# Altium PCB PCB_SDR.PcbDoc (part 2 of 6)
Units mil, origin at the board's own origin, x right, y up, seen from the top; angles counter-clockwise.
Board outline 4925.6 x 3220.01 mil, 8 copper layers (Top Layer, GND1, Signal 1, Power1, Power2, Signal 2, GND2, Bottom Layer), stack 62.84 mil thick; 406 components, 373 nets, 1642 pads, 1474 vias.
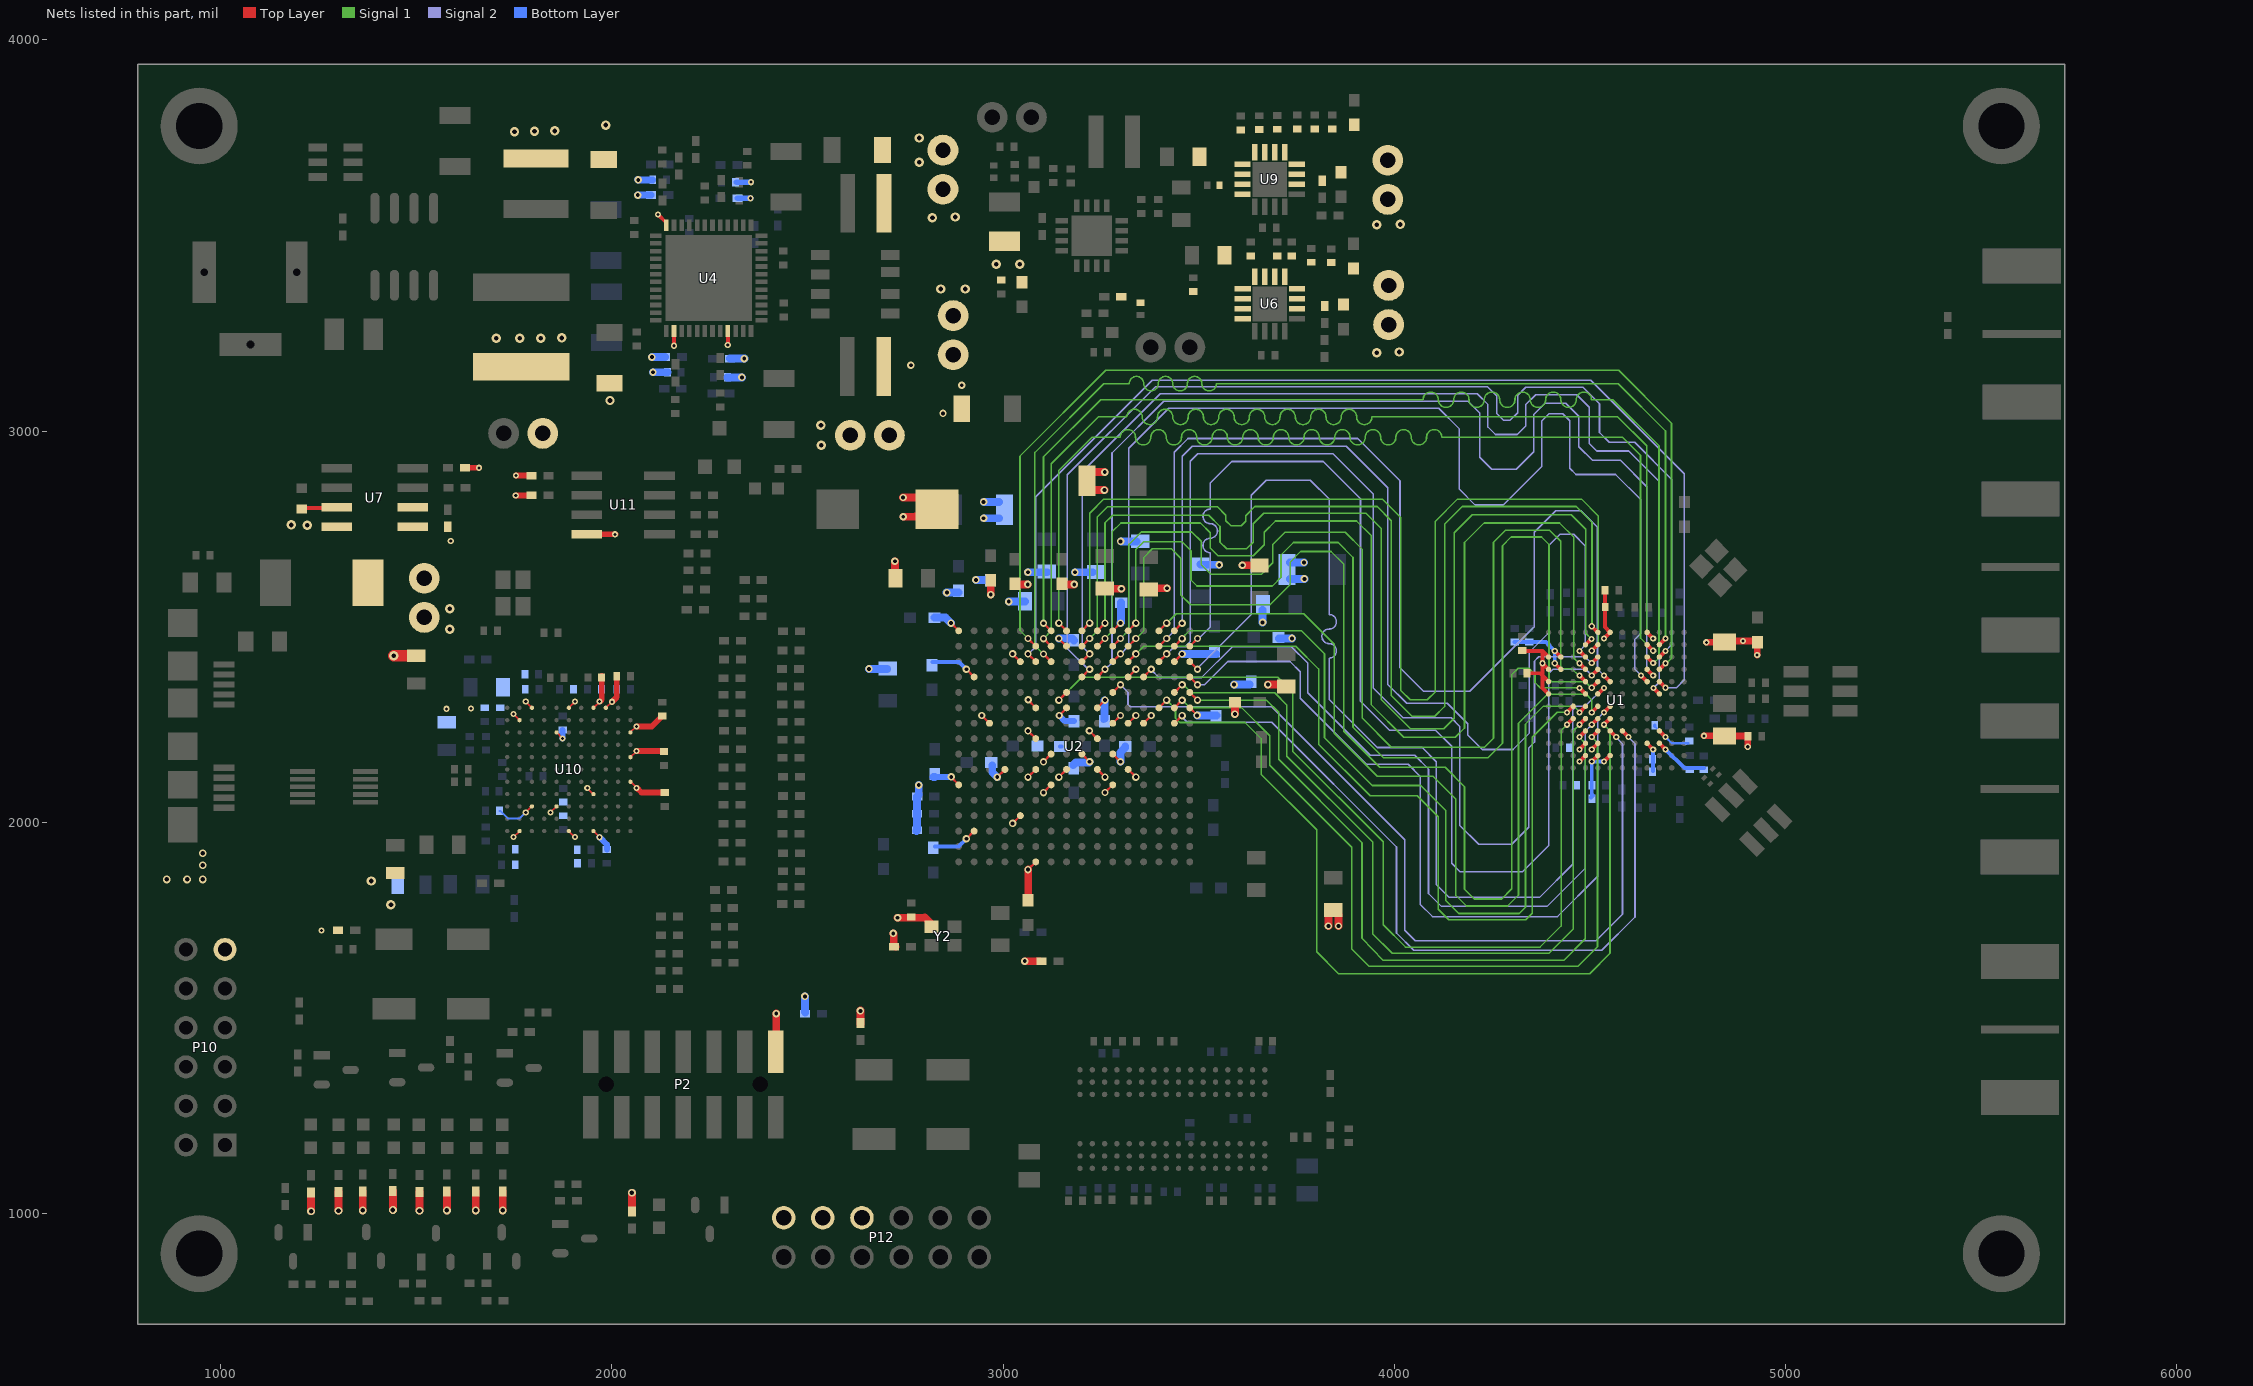
[diagram p8: the nets of this part, all layers, seen from the top]

## Footprints (in the part's own frame and the unit in brackets; to place one, negate y for a bottom-side part, rotate by r counter-clockwise, add the part's x,y. Pads: shape width x height; smd on the part's side, far side on the other; paste and mask are expansions set on the pad) (continued)
FTG256 [mm] "BGA, 256-Balls, Body 17x17mm, Pitch 1mm"
  round 0.45 smd: A1(-7.5,7.5) A2(-6.5,7.5) A3(-5.5,7.5) A4(-4.5,7.5) A5(-3.5,7.5) A6(-2.5,7.5) A7(-1.5,7.5) A8(-0.5,7.5) A9(0.5,7.5) A10(1.5,7.5) A11(2.5,7.5) A12(3.5,7.5) A13(4.5,7.5) A14(5.5,7.5) A15(6.5,7.5) A16(7.5,7.5) B1(-7.5,6.5) B2(-6.5,6.5) B3(-5.5,6.5) B4(-4.5,6.5) B5(-3.5,6.5) B6(-2.5,6.5) B7(-1.5,6.5) B8(-0.5,6.5) B9(0.5,6.5) B10(1.5,6.5) B11(2.5,6.5) B12(3.5,6.5) B13(4.5,6.5) B14(5.5,6.5) B15(6.5,6.5) B16(7.5,6.5) C1(-7.5,5.5) C2(-6.5,5.5) C3(-5.5,5.5) C4(-4.5,5.5) C5(-3.5,5.5) C6(-2.5,5.5) C7(-1.5,5.5) C8(-0.5,5.5) C9(0.5,5.5) C10(1.5,5.5) C11(2.5,5.5) C12(3.5,5.5) C13(4.5,5.5) C14(5.5,5.5) C15(6.5,5.5) C16(7.5,5.5) D1(-7.5,4.5) D2(-6.5,4.5) D3(-5.5,4.5) D4(-4.5,4.5) D5(-3.5,4.5) D6(-2.5,4.5) D7(-1.5,4.5) D8(-0.5,4.5) D9(0.5,4.5) D10(1.5,4.5) D11(2.5,4.5) D12(3.5,4.5) D13(4.5,4.5) D14(5.5,4.5) D15(6.5,4.5) D16(7.5,4.5) E1(-7.5,3.5) E2(-6.5,3.5) E3(-5.5,3.5) E4(-4.5,3.5) E5(-3.5,3.5) E6(-2.5,3.5) E7(-1.5,3.5) E8(-0.5,3.5) E9(0.5,3.5) E10(1.5,3.5) E11(2.5,3.5) E12(3.5,3.5) E13(4.5,3.5) E14(5.5,3.5) E15(6.5,3.5) E16(7.5,3.5) F1(-7.5,2.5) F2(-6.5,2.5) F3(-5.5,2.5) F4(-4.5,2.5) F5(-3.5,2.5) F6(-2.5,2.5) F7(-1.5,2.5) F8(-0.5,2.5) F9(0.5,2.5) F10(1.5,2.5) F11(2.5,2.5) F12(3.5,2.5) F13(4.5,2.5) F14(5.5,2.5) F15(6.5,2.5) F16(7.5,2.5) G1(-7.5,1.5) G2(-6.5,1.5) G3(-5.5,1.5) G4(-4.5,1.5) G5(-3.5,1.5) G6(-2.5,1.5) G7(-1.5,1.5) G8(-0.5,1.5) G9(0.5,1.5) G10(1.5,1.5) G11(2.5,1.5) G12(3.5,1.5) G13(4.5,1.5) G14(5.5,1.5) G15(6.5,1.5) G16(7.5,1.5) H1(-7.5,0.5) H2(-6.5,0.5) H3(-5.5,0.5) H4(-4.5,0.5) H5(-3.5,0.5) H6(-2.5,0.5) H7(-1.5,0.5) H8(-0.5,0.5) H9(0.5,0.5) H10(1.5,0.5) H11(2.5,0.5) H12(3.5,0.5) H13(4.5,0.5) H14(5.5,0.5) H15(6.5,0.5) H16(7.5,0.5) J1(-7.5,-0.5) J2(-6.5,-0.5) J3(-5.5,-0.5) J4(-4.5,-0.5) J5(-3.5,-0.5) J6(-2.5,-0.5) J7(-1.5,-0.5) J8(-0.5,-0.5) J9(0.5,-0.5) J10(1.5,-0.5) J11(2.5,-0.5) J12(3.5,-0.5) J13(4.5,-0.5) J14(5.5,-0.5) J15(6.5,-0.5) J16(7.5,-0.5) K1(-7.5,-1.5) K2(-6.5,-1.5) K3(-5.5,-1.5) K4(-4.5,-1.5) K5(-3.5,-1.5) K6(-2.5,-1.5) K7(-1.5,-1.5) K8(-0.5,-1.5) K9(0.5,-1.5) K10(1.5,-1.5) K11(2.5,-1.5) K12(3.5,-1.5) K13(4.5,-1.5) K14(5.5,-1.5) K15(6.5,-1.5) K16(7.5,-1.5) L1(-7.5,-2.5) L2(-6.5,-2.5) L3(-5.5,-2.5) L4(-4.5,-2.5) L5(-3.5,-2.5) L6(-2.5,-2.5) L7(-1.5,-2.5) L8(-0.5,-2.5) L9(0.5,-2.5) L10(1.5,-2.5) L11(2.5,-2.5) L12(3.5,-2.5) L13(4.5,-2.5) L14(5.5,-2.5) L15(6.5,-2.5) L16(7.5,-2.5) M1(-7.5,-3.5) M2(-6.5,-3.5) M3(-5.5,-3.5) M4(-4.5,-3.5) M5(-3.5,-3.5) M6(-2.5,-3.5) M7(-1.5,-3.5) M8(-0.5,-3.5) M9(0.5,-3.5) M10(1.5,-3.5) M11(2.5,-3.5) M12(3.5,-3.5) M13(4.5,-3.5) M14(5.5,-3.5) M15(6.5,-3.5) M16(7.5,-3.5) N1(-7.5,-4.5) N2(-6.5,-4.5) N3(-5.5,-4.5) N4(-4.5,-4.5) N5(-3.5,-4.5) N6(-2.5,-4.5) N7(-1.5,-4.5) N8(-0.5,-4.5) N9(0.5,-4.5) N10(1.5,-4.5) N11(2.5,-4.5) N12(3.5,-4.5) N13(4.5,-4.5) N14(5.5,-4.5) N15(6.5,-4.5) N16(7.5,-4.5) P1(-7.5,-5.5) P2(-6.5,-5.5) P3(-5.5,-5.5) P4(-4.5,-5.5) P5(-3.5,-5.5) P6(-2.5,-5.5) P7(-1.5,-5.5) P8(-0.5,-5.5) P9(0.5,-5.5) P10(1.5,-5.5) P11(2.5,-5.5) P12(3.5,-5.5) P13(4.5,-5.5) P14(5.5,-5.5) P15(6.5,-5.5) P16(7.5,-5.5) R1(-7.5,-6.5) R2(-6.5,-6.5) R3(-5.5,-6.5) R4(-4.5,-6.5) R5(-3.5,-6.5) R6(-2.5,-6.5) R7(-1.5,-6.5) R8(-0.5,-6.5) R9(0.5,-6.5) R10(1.5,-6.5) R11(2.5,-6.5) R12(3.5,-6.5) R13(4.5,-6.5) R14(5.5,-6.5) R15(6.5,-6.5) R16(7.5,-6.5) T1(-7.5,-7.5) T2(-6.5,-7.5) T3(-5.5,-7.5) T4(-4.5,-7.5) T5(-3.5,-7.5) T6(-2.5,-7.5) T7(-1.5,-7.5) T8(-0.5,-7.5) T9(0.5,-7.5) T10(1.5,-7.5) T11(2.5,-7.5) T12(3.5,-7.5) T13(4.5,-7.5) T14(5.5,-7.5) T15(6.5,-7.5) T16(7.5,-7.5)
  silkscreen extent -9.27,-8.5 8.5,8.5, body extent -8.5,-8.5 8.5,8.5, height 1.55
GRM0402MurataCap [mm]
  rect 0.45x0.55 smd: 1(-0.45,0) 2(0.45,0)
  silkscreen extent -0.94,-0.48 0.94,0.48, body extent -0.5,-0.25 0.5,0.25, height 0.46
GRM0603MurataCap [mm]
  rect 0.8x0.7 smd: 1(-0.8,0) 2(0.8,0)
  silkscreen extent -1.5,-0.66 1.5,0.69, body extent -0.8,-0.4 0.8,0.4, height 0.79
GRM0805MurataCap [mm]
  rect 0.9x1.2 smd: 1(-1.05,0) 2(1.05,0)
  silkscreen extent -1.8,-0.91 1.8,0.91, body extent -0.95,-0.63 1.05,0.62, height 0.59
GRM1206MurataCap [mm]
  rect 1.1x1.7 smd: 1(-1.65,0) 2(1.65,0)
  silkscreen extent -2.49,-1.17 2.51,1.17, body extent -1.6,-0.8 1.6,0.8, height 0.78
GRM1210MurataCap [mm]
  rect 1.1x2 smd: 1(-1.65,0) 2(1.65,0)
  silkscreen extent -2.51,-1.32 2.54,1.3, body extent -1.6,-1.25 1.6,1.25, height 0.78
HDR2X6 [mm] "Connector; Header; 6x2 Position"
  rect 1.5x1.5 hole 0.9: 1(0,0)
  round 1.5 hole 0.9: 2(0,2.54) 3(2.54,0) 4(2.54,2.54) 5(5.08,0) 6(5.08,2.54) 7(7.62,0) 8(7.62,2.54) 9(10.16,0) 10(10.16,2.54) 11(12.7,0) 12(12.7,2.54)
  silkscreen extent -1.27,-1.27 13.97,3.81
Header2x1 [mm]
  round 2 hole 1: 1(0,1.27) 2(0,-1.27)
  silkscreen extent -1.35,-2.59 1.35,2.57, body extent -1.27,-2.57 1.27,2.51, height 7.11
INF-PG-TDSON-8-4_V [mm] "SON, 8-Leads, Body 5.9x5.15mm, Pitch 1.27mm"
  rect 0.65x1.2 smd: 1(-1.905,-2.825) 2(-0.635,-2.825) 3(0.635,-2.825) 4(1.905,-2.825) 5(1.91,1.7) 6(0.64,1.7) 7(-0.8,1.7) 8(-1.9,1.7)
  Top Layer region: -2.35,3.425 -1.65,3.425 -1.65,2.925 -1.015,2.925 -1.015,3.425 -0.315,3.425 -0.315,-1.575 -2.35,-1.575
  Top Layer region: 2.35,3.425 1.65,3.425 1.65,2.925 1.015,2.925 1.015,3.425 0.315,3.425 0.315,-1.575 2.35,-1.575
  silkscreen extent -2.76,-3.99 -2.51,-3.74, body extent -2.58,-2.95 2.58,2.95, height 1
J502-ND-142-0701-851/861 [mil]
  rect 200x19.68 smd: 1(101,0)
  rect 200x90 smd: 2(101,174) 3(101,-174)
  rect 200x90 smd far side: 4(101,174) 5(101,-174)
  silkscreen extent -371,-183 -30,184, body extent -375,-187 187,188, height 156
LQH32PNR47NN0L [mm]
  rect 1.25x2 smd: 1(-1.275,0) 2(1.275,0)
  silkscreen extent -2.18,-1.27 2.18,1.3, body extent -1.6,-1.25 1.6,1.25, height 1.55
LTSTC191 [mm]
  rect 0.8x0.8 smd: 1(-0.75,0) 2(0.75,0)
  silkscreen extent -1.47,-0.69 1.45,0.69, body extent -0.79,-0.4 0.8,0.4, height 0.35
MolexHeader2x7_ [mm]
  rect 1x2.75 smd: 1(-6,2.125) 2(-6,-2.125) 3(-4,2.125) 4(-4,-2.125) 5(-2,2.125) 6(-2,-2.125) 7(0,2.125) 8(0,-2.125) 9(2,2.125) 10(2,-2.125) 11(4,2.125) 12(4,-2.125) 13(6,2.125) 14(6,-2.125)
  round 0 hole 1 unplated: 16(5,0) 17(-5,0)
  silkscreen extent -8.32,-3.18 8.32,3.18, body extent -8.38,-3.15 8.27,3.15, height 7.6
MPZ2012 [mm]
  rect 0.8x1.2 smd: 1(-0.9,0) 2(0.9,0)
  silkscreen extent -1.6,-0.89 1.6,0.89, body extent -1,-0.62 1,0.63, height 0.85
MSOP-10L [mil] "MSOP-10L, 10-Leads, Body 5x3mm, Pitch 0.5mm"
  rect 64x12 smd: 1(-80.71,39.37) 2(-80.71,19.69) 3(-80.71,0) 4(-80.71,-19.68) 5(-80.71,-39.37) 6(80.71,-39.37) 7(80.71,-19.68) 8(80.71,0) 9(80.71,19.69) 10(80.71,39.37)
  silkscreen extent -150,-59 126,59, body extent -96,-59 96,59, height 37
NX2520SA-19.200000MHz [mm]
  rect 1.2x1 smd: 1(-0.85,0.65) 2(0.85,0.65) 3(0.85,-0.65) 4(-0.85,-0.65)
  silkscreen extent -1.75,-1.45 1.73,1.45, body extent -1.3,-1.05 1.3,1.05, height 0.55
ON_Semi_527AG-01_0 [mm]
  rect 1.075x0.538 smd paste+0 mask+0: 1(-0.935,0.95)
  oval 1.075x0.538 smd paste+0 mask+0: 2(-0.935,-0.95) 3(0.935,0)
  silkscreen extent -0.7,-1.52 0.7,1.52, body extent -1.57,-1.62 1.57,1.62, height 0.25
PJ-002BH [mm]
  rect 1.4x4 hole 0.5 slot 3.2 at 90 deg: 1(-3,0)
  rect 1.5x4 hole 0.5 slot 2.8 at 90 deg: 2(3,0)
  rect 4x1.5 hole 0.5 slot 2.8 at 0 deg: 3(0,4.7)
  silkscreen extent -3.7,-4.5 10.7,4.95, body extent -3.73,-4.45 10.67,4.95, height 11
PPTC062LJBN-RC [mil]
  round 60 hole 40.16: 1(-250,-50) 2(-150,-50) 3(-50,-50) 4(50,-50) 5(150,-50) 6(250,-50) 7(-250,50) 8(-150,50) 9(-50,50) 10(50,50) 11(150,50) 12(250,50)
  silkscreen extent -310,-100 310,100, body extent -310,-453 310,53, height 200
RC0402N [mm]
  rect 0.656x0.5 smd: 1(-0.553,0) 2(0.553,0)
  silkscreen extent -1.14,-0.51 1.17,0.56, body extent -0.5,-0.25 0.5,0.25, height 0.36
SF-1206F400-2 [mm]
  rect 1.27x2.03 smd: 1(-1.27,0) 2(1.27,0)
  silkscreen extent -2.29,-1.4 2.29,1.4
SiT2002AI-72-18E-100.000000G [mm] "Oscillator 100MHz 50 ppm"
  rect 0.9x0.8 smd: 1(-0.75,-0.6) 2(0.75,-0.6) 3(0.75,0.6) 4(-0.75,0.6)
  silkscreen extent -1.5,-1.32 1.5,1.3, body extent -1.02,-0.76 1.02,0.76, height 1
SO-8_N [mm] "SOIC, 8-Leads, Body 4.9x3.9mm, Pitch 1.27mm, IPC Medium Density"
  oval 2x0.6 smd: 1(-2.5,1.905) 2(-2.5,0.635) 3(-2.5,-0.635) 4(-2.5,-1.905) 5(2.5,-1.905) 6(2.5,-0.635) 7(2.5,0.635) 8(2.5,1.905)
  silkscreen extent -2.62,-2.5 1.1,2.88, body extent -2,-2.5 2,2.5, height 1.75
SOIC8-N_MC [mil]
  rect 78x22 smd: 1(-93,75) 2(-93,25) 3(-93,-25) 4(-93,-75) 5(93,-75) 6(93,-25) 7(93,25) 8(93,75)
  silkscreen extent -82,-102 82,102, body extent -118,-96 118,96, height 69
SOT-23B [mm] "SOT-23; 3 Leads; Body 3.0 x 2.6 mm, inc. leads (LxW max)"
  rect 0.9x0.95 smd: 1(-0.95,-1.25) 2(0.95,-1.25) 3(0,1.25)
  silkscreen extent -2.07,-1.37 1.3,1.25, body extent -1.47,-1.13 1.47,1.25, height 1.02
TaiyoYudenCapMK212 [mm]
  rect 1x1.4 smd: 1(-0.9,0) 2(0.9,0)
  silkscreen extent -1.68,-1.02 1.7,1.02, body extent -1,-0.62 1,0.63, height 0.6
TAJ_DorE2917 [mm]
  rect 2x3 smd: 1(-3,0) 2(3,0)
  silkscreen extent -4.32,-2.15 4.37,3, body extent -3.7,-2.24 3.7,2.21, height 1.89
TCM [mm]
  rect 0.76x1.65 smd: 1(-1.27,1.59) 2(0,1.59) 3(1.27,1.59) 4(1.27,-1.59) 5(0,-1.59) 6(-1.27,-1.59)
  silkscreen extent -1.91,-2.68 1.91,2.7, body extent -1.93,-2.02 1.9,2.02, height 4
TL3301AF160QJ [mm]
  rect 2.785x1.4 smd: 1(-2.408,-2.25) 3(-2.408,2.25) 4(2.408,2.25)
  rect 2.408x1.4 smd: 2(2.408,-2.25)
  silkscreen extent -4.14,-3.25 4.09,3.23, body extent -3.3,-3 3.3,3, height 5.32
TSOT-23_S6 [mil]
  rect 48x20 smd: 1(-45,37.4) 2(-45,0) 3(-45,-37.4) 4(45,-37.4) 5(45,0) 6(45,37.4)
  silkscreen extent -40,-62 40,62, body extent -55,-57 55,57, height 57
XAL4040-152 [mil] "Coilcraft High Temperature Shielded Power Inductors"
  rect 38x150 smd: 1(-46.5,0) 2(46.5,0)
  silkscreen extent -85,-85 85,85, body extent -85,-85 85,85, height 161
XAL5050-153 [mil] "Coilcraft High Temperature Shielded Power Inductors"
  rect 46x167 smd: 1(-65,0) 2(65,0)
  silkscreen extent -110,-114 110,114, body extent -108,-112 108,112, height 201
XAL8080-682 [mil] "Coilcraft High Temperature Shielded Power Inductors"
  rect 70x247 smd: 1(-101.5,0) 2(101.5,0)
  silkscreen extent -166,-176 166,176, body extent -163,-173 163,173, height 315
"XFL4020 SERIES" [mil] "Coilcraft Shielded Power Inductors"
  rect 38x134 smd: 1(-46.5,0) 2(46.5,0)
  silkscreen extent -82,-82 82,82, body extent -78,-78 78,78, height 83

## Part data
C1 C2 C5 C6 C7 C8 C9 C10 C11 C12 C13 C14 C15 C16 C17 C18 C19 C20 C21 C22 C24 C25 C26 C27 C28 C29 C30 C31 C32 C33 C34 C35 C36 C37 C38 C39 C40 C41 C42 C43 C44 C45 C46 C47 C48 C49 C50 C51 C52 C53 C54 C55 C56 C57 C58 C59 C61 C62 C74 C86 C87 C88 C89 C90 C92 C93 C94 C95 C96 C97 C98 C99 C100 C101 C102 C103 C105 C106 C110 C112 C114 C117 C118 C119 C120 C121 C123 C124 C126 C127 C128 C129 C130 C132 C133 C134 C135 C136 C137 C138 C140 C142 C144 C145 C146 C147 C148 C149 C150 C151 C152 C153 C154 C155 C156 C157 C158 C159 C160 C161 C162 C163 C164 C165 C166 C167 C168 C169 C170 C171 C172 C173 C174 C175 C176 C180 C181 C182 C183 C186 C187 C188 C189 C190 C193 C194 C195 C196 C200 C201 C202 C203 C204 C205 C206 C207: "Capacitor"
C3 C4 C63 C64 C65 C66 C67 C68 C69 C70 C71 C72 C73 C75 C76 C77 C78 C79 C80 C81 C82 C83 C84 C85 C91 C104 C107 C111 C113 C115 C116 C122 C125 C131 C139 C141 C143 C177 C178 C179: library part Cap, "Capacitor"
C23 C108 C109: "Polarized Capacitor (Surface Mount)"
D1 D3 D5 D6 D7 D8 D9 D10 D11 D12: "Typical RED, GREEN, YELLOW, AMBER GaAs LED"
D4: library part "WE-TVS-SS,MSOP-10L, 82401444", "TVS Diode WE-TVS-SS, VRWM=5V"
E1 E2 E3: library part "Ferrite Bead", "Ferrite bead"
F1: library part "Fuse 2", "Fuse"
J1 J2 J3 J4: library part COAX-F, "RF Coaxial PCB Connector, MCX; Thru-Hole, Right-Angle Mount Socket, Blunt Post Terminal, 50 Ohm Impedance"
J5: library part PWR2.5, "Low Voltage Power Supply Connector"
J6: "Micro USB 3.0 Type B Horizontal SMT WR-COM"
L1 L2 L7 L8 L9 L10 L11 L12 L13 L14: library part Inductor, "Inductor"
L3 L4 L5 L6: library part "Inductor Iron", "Magnetic-Core Inductor"
P1 P3 P4 P5 P6 P7 P8 P9 P11: "Header, 2-Pin"
P2: "Header, 7-Pin, Dual row"
P10: "Header, 6-Pin, Dual row"
P12: library part "Header 6X2A", "Header, 6-Pin, Dual row"
Q1: "N-Channel OptiMOS 3 Power-Transistors, 30 V VDS, 20 A ID, -55 to 150 degC, PG-TDSON-8-4, Reel, Green"
Q2: library part SI4925DY, "Dual P-Channel 30V (D-S)  MOSFET"
Q3 Q4 Q5 Q6 Q7 Q8 Q9 Q10 Q11 Q12: library part SUP70N06-14, "N-Channel 60V (D-S), 175'C  MOSFET"
R1 R2 R3 R4 R5 R6 R7 R9 R10 R11 R12 R13 R14 R15 R16 R17 R18 R19 R20 R21 R22 R23 R24 R25 R26 R27 R28 R29 R30 R31 R32 R33 R34 R35 R36 R37 R38 R39 R40 R41 R42 R43 R44 R45 R46 R47 R48 R49 R50 R51 R52 R53 R54 R55 R56 R57 R58 R59 R60 R61 R62 R63 R64 R65 R66 R67 R68 R69 R70 R71 R72 R73 R74 R75 R76 R77 R78 R79 R80 R81 R82 R83 R84 R85 R86 R87 R88 R89 R90 R91 R92 R93 R94 R95 R96 R97 R98 R99 R100 R101 R102 R103 R104 R105 R106 R107 R108 R109 R110 R111 R112 R113 R114 R115 R116 R117 R118 R119 R120 R121 R122 R123 R124 R125 R126 R127 R128 R129 R130 R131: library part Res2, "Resistor"
S1 S2: library part IT-2175, "Tactile Switch, DPST; Thru-Hole; Vertical; Rating DC 12V, 50mA (max)"
TCM1 TCM2: library part TCM163AX
U1: "Transceiver"
U2: library part XC7A35T-1FTG256C, "Artix-7 FPGA, 170 User I/Os, 0 GTP, 256-Ball BGA, Speed Grade 1, Commercial Grade, Pb-Free"
U3: "DRAM Chip DDR3L SDRAM 2G-Bit 128Mx16 1.35V 96-Pin FBGA"
U4: "Quad Buck Regulator"
U5: library part LTC4412ES6#PBF, "Power Path Selector"
U6 U7 U8 U9: "Power Regulator"
U10: library part FX3_121_BUMP_4, "USB Controller"
U11: "256Kbit, 400kHz, 2.5V, I2C Serial EEPROM, 8-Pin SOIC 150mil, Industrial Temperature"
Y1: library part Component_1, "Crystal"
Y2: library part ASEM1-100.000MHZ-LC-T, "Crystal"
Y3: library part Component_1, "Cristales 19.2000MHz 10ppm 7pF -30C +85C"

## Free pads (board coordinates)
  round 196.85 hole 118.11: MH0(5551.18,3779.53) MH1(5551.18,897.64) MH2(944.88,3779.53) MH3(944.88,897.64)

## Via types
v1: diameter 15.75, hole 7.87, Top Layer to Bottom Layer, tented both sides, 559 vias
v2: diameter 18.9, hole 9.84, Top Layer to Bottom Layer, tented both sides, 368 vias
v3: diameter 20, hole 11.81, Top Layer to Bottom Layer, 129 vias
v4: diameter 15.75, hole 7.87, Top Layer to Bottom Layer, 126 vias
v5: diameter 20, hole 10, Top Layer to Bottom Layer, 124 vias
v6: diameter 24, hole 12, Top Layer to Bottom Layer, 105 vias
v7: diameter 19.68, hole 9.84, Top Layer to Bottom Layer, tented both sides, 22 vias
v8: diameter 19.68, hole 7.87, Top Layer to Bottom Layer, tented both sides, 20 vias
v9: diameter 20, hole 10, Top Layer to Bottom Layer, tented both sides, 14 vias
v10: diameter 21.65, hole 9.84, Top Layer to Bottom Layer, 6 vias
v11: diameter 21.65, hole 7.87, Top Layer to Bottom Layer, tented both sides, 1 vias

## Nets (pads, with @x,y where several pads share a name; then routed paths per layer and width w, separated by ;. In a path a pad name is that pad's centre, name@x,y a point inside that pad or via, vN(x,y) a via of type N, cw(c..) or ccw(c..) an arc to the next point about the centre after c; other vN are vias at no path point)
1.2V: C109.1 P8.1 R34.1 R37.2 U7.5 U7.6 | length 35.2
  Top Layer w15: R34.1@1624.76,2906 v1(1660,2906)
  other v1: 1588,2719
1.2V_USB: C146.2 C147.2 C148.2 C149.2 C150.2 C151.2 C152.2 C153.2 C154.1 C155.2 C156.2 L9.1 L10.1 L11.1 P8.2 U10.B10 U10.C3 U10.E9 U10.F11 U10.H1 U10.J11 U10.L5 U10.L7 | length 541
  Top Layer w5: v1(1748,2277) 1748.2,2277 U10.B10@1764.17,2261.02 ; v1(1779.53,2025.2) U10.C3@1795.28,2040.55 ; U10.E9@1858.27,2229.53 v1(1873.62,2213.78) ; U10.F11@1889.76,2292.52 v1(1905.51,2308.27) ; U10.H1@1953.15,1977.56 v1(1968.5,1961.81) ; U10.J11@1984.65,2292.52 v1(2000.39,2307.87) ; U10.L7@2047.24,2166.54 v1(2062.99,2181.89) ; U10.L5@2047.64,2103.54 v1(2062.99,2087.8) ; C153.2@2134,2076 C153.2@2134,2081.28
  Top Layer w15: v1(2000.39,2307.87) 2012.28,2319.76 C151.2@2012.28,2373 ; v1(2062.99,2181.89) C147.2@2128.83,2181.89 ; v1@2063.51,2088.04 2075.55,2076 C153.2@2134,2076
  Bottom Layer w5: C148.2@1712.72,2029 1714,2029 1733.18,2009.82 1764.15,2009.82 v1(1779.53,2025.2) ; C146.2@1873.62,2235.94 C146.2@1874,2236.32 ; v1@1968.5,1959.78 v1(1968.5,1961.81) ; v1(2062.99,2181.89) v1@2064.86,2181.89
  Bottom Layer w6: v1(1748,2277) 1748.57,2277 v1@1748.8,2276.77
  Bottom Layer w15: v1(1873.62,2213.78) C146.2@1873.62,2235.94 ; v1(1968.5,1961.81) 1987,1943.31 C149.2@1987,1930.72
  other v1: 1577,2290 1640,2291
  other v6: 1435,1789 1385,1850 1585,2493 1585,2546
1.3V_A: C90.2 C91.2 C110.2 C111.2 C112.2 C113.2 C114.2 C115.2 P4.1 U1.B9 U1.B10 U1.E2 U1.F2 U1.J3 U1.K3 | length 575.7
  Top Layer w10: v1@4409.45,2406.69 v1(4409.65,2406.49) U1.B9@4425.2,2390.94 ; v1@4409.45,2438.19 v1(4409.65,2437.99) U1.B10@4425.2,2422.44 ; v1@4503.94,2154.72 v1(4504.13,2154.92) U1.E2@4519.68,2170.47 ; v1@4535.43,2154.72 v1(4535.63,2154.92) U1.F2@4551.18,2170.47 ; U1.J3@4645.67,2201.97 v1(4661.22,2186.42) v1@4661.42,2186.22 ; U1.K3@4677.17,2201.97 v1(4692.71,2186.42) v1@4692.91,2186.22
  Bottom Layer w10: C91.2@4306.85,2460.28 C90.2@4344.85,2460.28 4387.35,2460.28 v1(4409.65,2437.99) v1(4409.65,2406.49) ; C110.2@4502.7,2063.57 C110.2@4507.13,2068.01 ; C110.2@4504.13,2068.01 v1(4504.13,2154.92) v1(4535.63,2154.92) ; C113.2@4661.22,2130.65 v1(4661.22,2186.42) ; v1(4692.71,2186.42) 4740.85,2138.28 4754.85,2138.28 C114.2@4790.85,2138.28
  other v6: 3955,3200 4012,3202
1.3V_A_OUT: C92.2 C93.2 C94.2 C95.2 C96.2 C97.2 P4.2 R35.2 U6.10 U6.11 U6.12 U6.13 U6.14
1.3V_B: C11.2 C12.1 C130.2 C131.2 C138.2 C139.2 C140.2 C141.2 C142.2 C143.2 L1.2 L2.2 P5.1 U1.A7 U1.A8 U1.A9 U1.A10 U1.D2 U1.D3 U1.E3 U1.F12 U1.K4 | length 909.4
  Top Layer w10: C139.2@4326.85,2437.99 4378.15,2437.99 ; C138.2@4338.72,2381 4372.15,2381 4377.95,2375.19 ; v1@4377.95,2406.49 4377.95,2375.19 ; v1@4377.95,2406.69 4377.95,2437.79 4378.15,2437.99 ; v1@4378.15,2406.49 U1.A9@4393.7,2390.94 ; U1.A7@4393.7,2327.95 4377.95,2343.7 4377.95,2375.19 ; U1.A8@4393.7,2359.45 4378.15,2375 4377.95,2375.19 ; U1.A10@4393.7,2422.44 4378.15,2437.99 ; v1@4472.44,2154.72 U1.D2@4488.19,2170.47 ; v1@4472.44,2186.22 U1.D3@4488.19,2201.97 ; v1@4503.94,2186.22 U1.E3@4519.68,2201.97 ; v1@4535.43,2469.69 v1(4535.63,2469.88) U1.F12@4551.18,2485.43 4537.72,2498.89 C141.2@4537.72,2592.57 ; U1.K4@4677.17,2233.46 v1(4692.71,2217.91) v1@4692.91,2217.72 ; L2.2@4843.85,2220.66 L2.2@4858.96,2220.66 ; C12.1@4902.62,2220.66 C12.1@4903.28,2220 ; C11.2@4925.55,2462.96 C11.2@4928,2460.5 ; C11.2@4927.04,2462.55 C11.2@4929.5,2465
  Top Layer w17.54: v1(4791.21,2221.04) L2.2@4836.96,2221.04 ; v1(4797,2460) 4836.92,2460 L1.2@4839.96,2463.04 ; L1.2@4845.04,2462.96 v1@4890.79,2462.96 ; L2.2@4858.96,2222.96 4858.96,2220.66 C12.1@4902.62,2220.66 ; v1(4890.51,2462.96) C11.2@4925.55,2462.96 ; C12.1@4902.96,2221 4903,2220.96 v1(4903,2193) ; v1(4927.04,2427.51) C11.2@4927.04,2462.55